# KiCad board Zynq_SoM.kicad_pcb (continued)
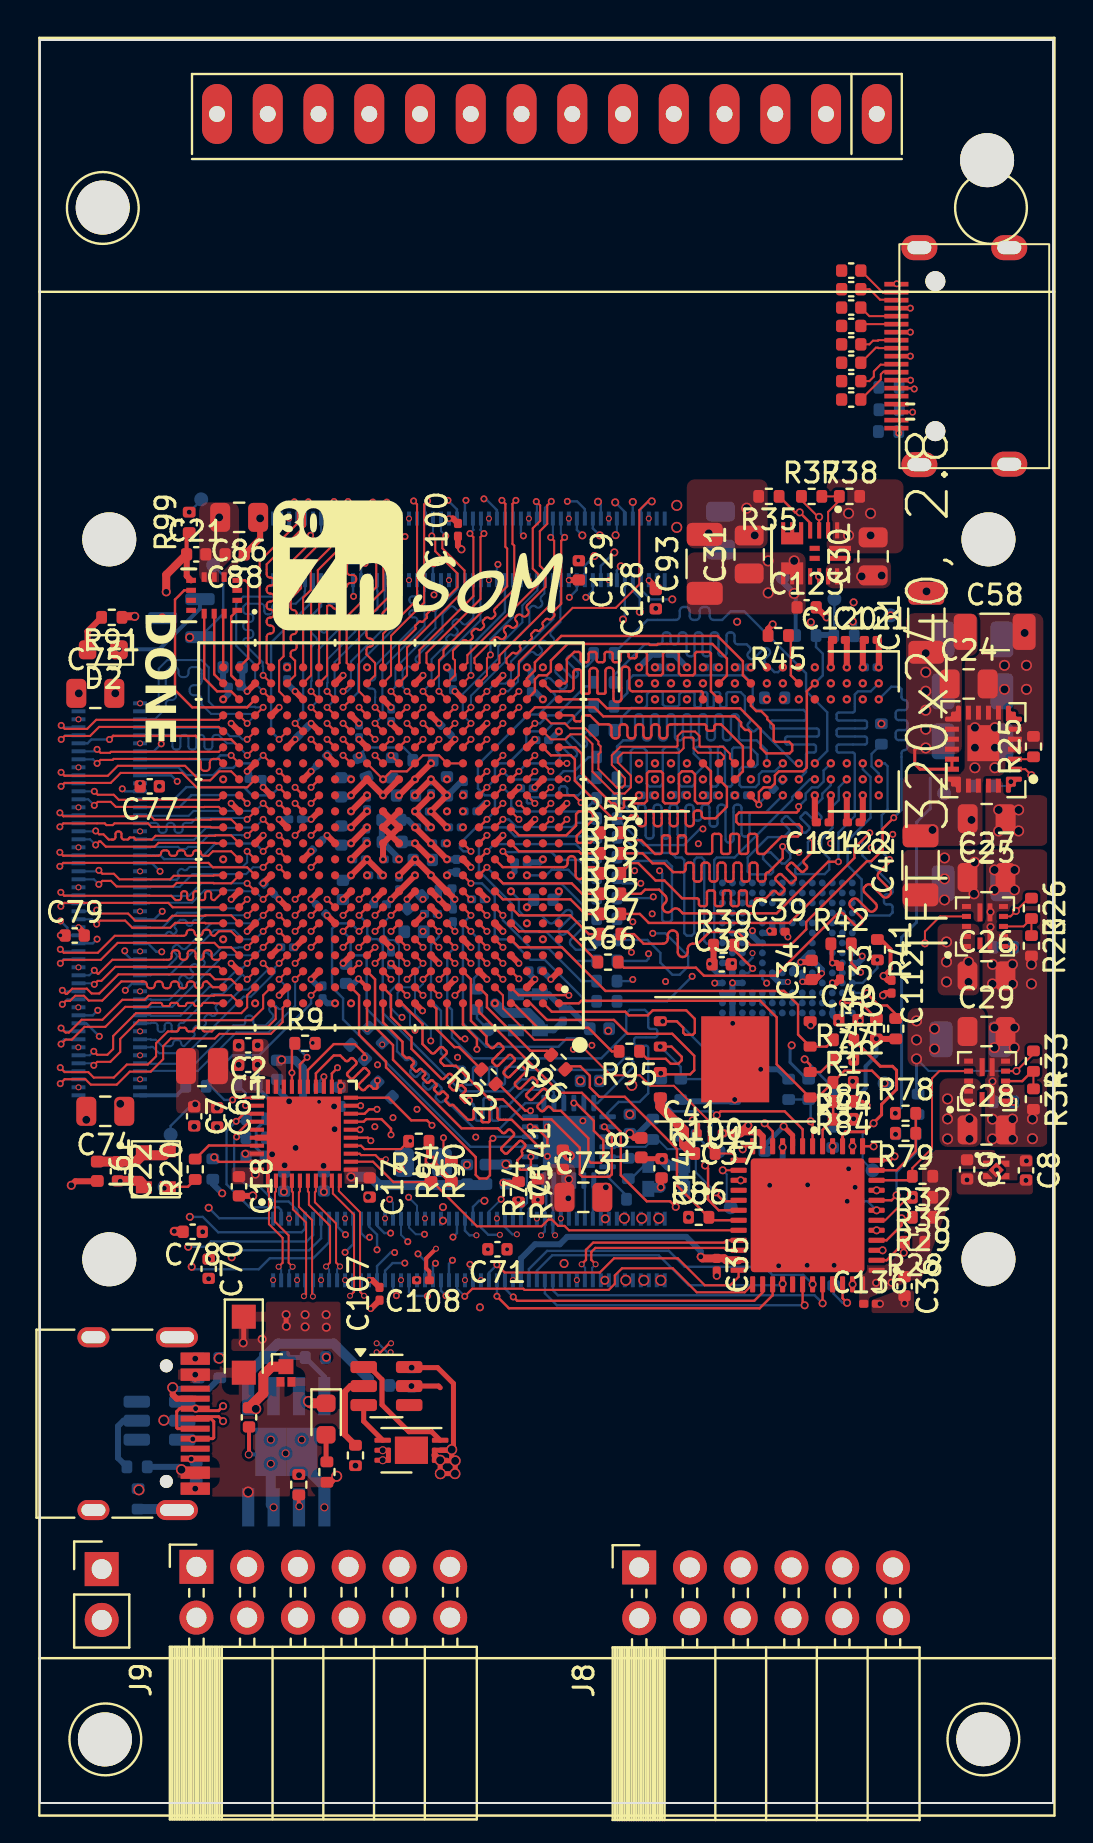
[diagram p0: board, top side]
## Routing (per net, layer and track width the routed paths; a pad name or vN(x,y) marks a point on that pad's centre or on a via; arc(x,y) is an arc through that point) (continued)
  L8 (Sig) w0.104: J3.79 1.21,50.99 v1(1.06,50.84)
IO_L17_P_35: length 11.3
  L1 (Sig) w0.104: v1(1.02,42.69) 1.19,42.52 2.9,42.52 3.75,43.37 7.19,43.37 arc(7.29,43.41) 7.34,43.52 arc(7.38,43.62) 7.49,43.67 7.59,43.67 arc(7.69,43.62) 7.74,43.52 arc(7.78,43.41) 7.89,43.37 7.99,43.37 arc(8.09,43.41) 8.14,43.52 arc(8.18,43.62) 8.29,43.67 8.39,43.67 arc(8.49,43.62) 8.54,43.52 arc(8.58,43.41) 8.69,43.37 8.73,43.37 8.95,43.59 9.57,43.59 U2.E21
  L8 (Sig) w0.104: J3.37 1.12,42.59 v1(1.02,42.69)
IO_L18_N_13: length 14.6
  L1 (Sig) w0.1: v4(30.62,65.09) 30.43,65.09 29.99,64.65 29.99,60.94 28.82,59.76 26.66,59.76 23.97,57.08 23.97,56.39 U2.AA4
  L8 (Sig) w0.12: v4(30.62,65.09) 30.46,65.09 30.07,64.7 J2.8
IO_L18_N_33: length 8.3
  L1 (Sig) w0.104: v1(15.72,63.28) 15.89,63.11 15.89,63.1 15.01,62.22 15.01,60.99 13.97,59.95 U2.AB16
  L8 (Sig) w0.104: J2.80 15.67,63.62 15.72,63.57 v1(15.72,63.28)
IO_L18_N_34: length 6.3
  L1 (Sig) w0.12: U2.P21 v1(10.37,49.99)
  L8 (Sig) w0.12: J3.74 6.97,49.79 7.58,50.4 9.96,50.4 v1(10.37,49.99)
IO_L18_N_35: length 11.4
  L1 (Sig) w0.104: U2.B22 8.65,40.79 8.36,41.08 8.31,41.08 arc(8.2,41.04) 8.15,40.92 8.15,40.9 arc(8.1,40.79) 7.99,40.74 7.91,40.74 arc(7.8,40.79) 7.75,40.9 7.75,40.92 arc(7.7,41.04) 7.59,41.08 7.51,41.08 arc(7.4,41.04) 7.35,40.92 7.35,40.9 arc(7.3,40.79) 7.19,40.74 7.11,40.74 arc(7,40.79) 6.95,40.9 6.95,40.92 arc(6.9,41.04) 6.79,41.08 6.71,41.08 arc(6.6,41.04) 6.55,40.92 6.55,40.9 arc(6.5,40.79) 6.39,40.74 6.31,40.74 arc(6.2,40.79) 6.15,40.9 6.15,40.92 arc(6.1,41.04) 5.99,41.08 5.91,41.08 arc(5.8,41.04) 5.75,40.92 5.75,40.9 arc(5.7,40.79) 5.59,40.74 5.51,40.74 arc(5.4,40.79) 5.35,40.9 5.35,40.92 arc(5.3,41.04) 5.19,41.08 4.07,41.08 3.12,40.13 2.44,40.13 2.2,40.37 1.76,40.37 1.51,40.11 1.29,40.11 v1(1.12,39.94)
  L8 (Sig) w0.104: v1(1.12,39.94) 1.37,40.19 J3.25
IO_L18_P_13: length 9.7
  L1 (Sig) w0.12: U2.Y4 v1(23.97,55.59)
  L4 (Sig+Pwr) w0.135: v4(29.18,59.18) 28.96,59.18 27.47,57.69 25.37,57.69 24.77,57.09 24.77,56.39 v1(23.97,55.59)
  L8 (Sig) w0.12: v4(29.18,59.18) 29.27,59.27 J2.11
IO_L18_P_33: length 10.7
  L1 (Sig) w0.104: U2.AA16 14.37,56.39 14.37,59.85 arc(14.48,59.9) 14.6,59.85 14.69,59.75 arc(14.81,59.7) 14.92,59.75 14.98,59.81 arc(15.02,59.92) 14.98,60.03 14.88,60.13 arc(14.83,60.24) 14.88,60.36 15.37,60.85 arc(15.41,60.96) 15.53,61.01 15.67,61.01 arc(15.78,61.05) 15.83,61.17 15.83,61.25 arc(15.78,61.36) 15.67,61.41 15.53,61.41 arc(15.41,61.45) 15.37,61.57 15.37,62.08 16.25,62.96 16.25,63.11 v1(16.42,63.28)
  L8 (Sig) w0.104: v1(16.42,63.28) 16.07,63.63 J2.78
IO_L18_P_35: length 10.6
  L1 (Sig) w0.104: U2.B21 9.57,41.19 8.75,41.19 8.51,41.44 3.93,41.44 2.97,40.48 2.59,40.48 2.35,40.72 1.61,40.72 1.36,40.47 1.29,40.47 v1(1.12,40.64)
  L8 (Sig) w0.104: J3.27 1.17,40.59 v1(1.12,40.64)
IO_L19_N_VREF_35: length 6.2
  L1 (Sig) w0.104: U2.H20 v1(10.37,45.99)
  L8 (Sig) w0.104: J3.52 5.48,45.39 5.51,45.36 7.45,45.36 8.08,45.99 v1(10.37,45.99)
IO_L19_P_13: length 20.8
  L1 (Sig) w0.12: U2.R6 v1(22.37,51.59)
  L6 (Sig+Pwr) w0.135: v4(28.79,65.04) 29.49,64.33 29.49,61.24 28.04,59.79 24.3,59.79 21.97,57.46 21.97,51.99 v1(22.37,51.59)
  L8 (Sig) w0.12: v4(28.79,65.04) 29.27,64.56 J2.12
IO_L19_P_33: length 20.7
  L1 (Sig) w0.12: U2.V14 v1(15.17,53.99)
  L6 (Sig+Pwr) w0.135: v1(26.39,65.09) 25.97,64.66 22.09,64.66 20.92,63.49 20.92,63.27 20.29,62.64 19.29,62.64 15.57,58.91 15.57,54.39 v1(15.17,53.99)
  L8 (Sig) w0.12: J2.22 27.27,64.7 26.88,65.09 v1(26.39,65.09)
IO_L19_P_35: length 7.2
  L1 (Sig) w0.104: U2.H19 v1(11.17,45.19)
  L8 (Sig) w0.104: J3.50 5.47,44.99 5.5,45.02 7.61,45.02 8.23,45.64 10.14,45.64 10.19,45.59 10.77,45.59 v1(11.17,45.19)
IO_L19_VREF_N_33: length 20.1
  L1 (Sig) w0.12: U2.U15 v1(14.37,53.19)
  L6 (Sig+Pwr) w0.135: v1(14.37,53.19) 14.22,53.19 13.82,53.59 13.39,53.59 13.17,53.81 13.17,60.63 15.23,62.69 18.39,62.69 18.89,63.19 18.89,63.79 19.79,64.69 20.87,64.69 v1(21.32,65.14)
  L8 (Sig) w0.12: v1(21.32,65.14) 21.27,65.09 J2.52
IO_L20_N_33: length 16.1
  L1 (Sig) w0.12: U2.W13 v1(15.97,54.79)
  L4 (Sig+Pwr) w0.135: v1(15.97,54.79) 15.97,55.59 17.14,56.76 17.14,61.64 18.16,62.66 20.23,62.66 21.04,63.47 21.04,64.03 v1(22.22,65.21)
  L8 (Sig) w0.12: J2.44 22.87,64.65 22.31,65.21 v1(22.22,65.21)
IO_L20_N_34: length 8.1
  L1 (Sig) w0.12: U2.P18 v1(11.97,50.79)
  L8 (Sig) w0.12: J3.76 6.72,50.19 7.33,50.8 10.21,50.8 10.62,50.39 11.57,50.39 v1(11.97,50.79)
IO_L20_N_35: length 8
  L1 (Sig) w0.104: U2.F19 v1(11.17,43.59)
  L8 (Sig) w0.104: J3.32 5.53,41.39 5.56,41.41 6.49,41.41 8.74,43.65 9.71,43.65 10.18,43.19 10.77,43.19 v1(11.17,43.59)
IO_L20_P_33: length 12.1
  L1 (Sig) w0.12: U2.V13 v1(16.77,53.19)
  L4 (Sig+Pwr) w0.135: v1(19.69,61.96) 18.52,61.96 17.97,61.41 17.97,56.69 17.17,55.89 17.17,53.59 v1(16.77,53.19)
  L8 (Sig) w0.12: J2.59 19.67,61.94 v1(19.69,61.96)
IO_L20_P_34: length 18.4
  L1 (Sig) w0.12: U2.P17 v1(12.77,50.79)
  L6 (Sig+Pwr) w0.135: v1(12.77,50.79) 12.37,50.39 7.92,50.39 3.49,45.96 3.49,41.41 v1(4.27,40.64)
  L8 (Sig) w0.12: v1(4.27,40.64) 4.62,40.99 J3.30
IO_L20_P_35: length 8.5
  L1 (Sig) w0.104: U2.G19 v1(11.17,44.39)
  L8 (Sig) w0.104: v1(11.17,44.39) 10.77,43.99 8.57,43.99 7.32,42.74 arc(7.21,42.69) 7.09,42.74 6.97,42.87 arc(6.85,42.91) 6.74,42.87 6.68,42.81 arc(6.64,42.7) 6.68,42.58 6.81,42.46 arc(6.86,42.34) 6.81,42.23 6.35,41.77 5.56,41.77 5.53,41.79 J3.34
IO_L21_DQS_N_33: length 8.6
  L1 (Sig) w0.104: U2.Y15 v1(14.37,55.59)
  L8 (Sig) w0.104: v1(14.37,55.59) 14.37,56 14.39,56.02 14.39,57.19 15.77,58.57 arc(15.82,58.68) 15.77,58.8 15.65,58.91 arc(15.61,59.02) 15.65,59.14 15.71,59.19 arc(15.82,59.24) 15.94,59.19 16.05,59.08 arc(16.16,59.03) 16.28,59.08 16.33,59.13 arc(16.38,59.25) 16.33,59.36 16.22,59.48 arc(16.17,59.59) 16.22,59.7 16.28,59.76 arc(16.39,59.81) 16.5,59.76 16.62,59.64 arc(16.73,59.6) 16.84,59.64 16.89,59.69 16.89,60.6 16.87,60.62 J2.73
IO_L21_DQS_N_35: length 8.7
  L1 (Sig) w0.104: U2.E20 v1(10.37,42.79)
  L8 (Sig) w0.104: J3.26 5.53,40.19 5.56,40.17 6.48,40.17 7.07,40.76 arc(7.12,40.88) 7.07,40.99 7,41.06 arc(6.96,41.17) 7,41.28 7.06,41.34 arc(7.17,41.39) 7.29,41.34 7.36,41.27 arc(7.47,41.23) 7.58,41.27 7.64,41.33 arc(7.69,41.44) 7.64,41.56 7.57,41.62 arc(7.52,41.74) 7.57,41.85 7.63,41.91 arc(7.74,41.95) 7.85,41.91 7.92,41.84 arc(8.03,41.79) 8.15,41.84 8.2,41.89 arc(8.25,42.01) 8.2,42.12 8.14,42.19 arc(8.09,42.3) 8.14,42.42 8.19,42.47 arc(8.31,42.52) 8.42,42.47 8.49,42.4 arc(8.6,42.36) 8.71,42.4 9.08,42.77 9.92,42.77 9.94,42.79 v1(10.37,42.79)
IO_L21_DQS_P_33: length 8.1
  L1 (Sig) w0.104: U2.W15 v1(14.37,54.79)
  L8 (Sig) w0.104: v1(14.37,54.79) 14.77,55.19 14.77,56 14.75,56.02 14.75,57.05 17.25,59.55 17.25,60.6 17.27,60.62 J2.71
IO_L21_DQS_P_35: length 8
  L1 (Sig) w0.104: U2.E19 v1(11.17,42.79)
  L8 (Sig) w0.104: J3.24 5.53,39.79 5.56,39.81 6.62,39.81 9.22,42.41 9.92,42.41 9.94,42.39 10.77,42.39 v1(11.17,42.79)
IO_L21_P_13: length 13.3
  L1 (Sig) w0.12: U2.V5 v1(23.17,53.99)
  L4 (Sig+Pwr) w0.12: v1(23.17,53.99) 23.2,54.02
  L4 (Sig+Pwr) w0.135: v1(23.17,53.99) 22.77,54.39 22.77,57.04 24.77,59.04 26.97,59.04 29.07,61.14 v4(29.07,61.84)
  L8 (Sig) w0.12: v4(29.07,61.84) 28.87,61.64 J2.13
IO_L22_N_33: length 7.3
  L1 (Sig) w0.104: U2.AA14 v1(15.17,55.59)
  L8 (Sig) w0.104: v1(15.17,55.59) 15.38,55.59 15.56,55.77 15.56,57.08 17.69,59.21 17.69,60.6 17.67,60.62 J2.69
IO_L22_N_34: length 7.3
  L1 (Sig) w0.1: U2.T19 v1(11.17,52.39)
  L8 (Sig) w0.12: v1(11.17,52.39) 10.77,51.99 9.9,51.99 9.67,51.76 9.04,51.76 8.68,51.4 7.32,51.4 6.93,51.79 J3.84
IO_L22_N_35: length 6.5
  L1 (Sig) w0.104: U2.G21 v1(10.37,45.19)
  L8 (Sig) w0.104: v1(10.37,45.19) 9.92,44.74 8.09,44.74 7.87,44.52 6.87,44.52 6.12,43.77 5.56,43.77 5.53,43.79 J3.44
IO_L22_P_13: length 12.8
  L1 (Sig) w0.12: U2.U6 v1(22.37,53.19)
  L4 (Sig+Pwr) w0.135: v1(22.37,53.19) 21.97,53.59 21.97,57.84 23.77,59.64 26.62,59.64 27.27,60.29 v1(27.32,60.29)
  L8 (Sig) w0.12: v1(27.32,60.29) 27.67,60.64 J2.19
IO_L22_P_33: length 8.1
  L1 (Sig) w0.104: v1(15.17,54.79) U2.Y14
  L8 (Sig) w0.104: v1(15.17,54.79) 15.92,55.54 15.92,56.94 18.05,59.07 18.05,60.6 18.07,60.62 J2.67
IO_L22_P_35: length 7.1
  L1 (Sig) w0.104: U2.G20 v1(10.37,44.39)
  L8 (Sig) w0.104: v1(10.37,44.39) 8.24,44.39 8.01,44.16 7.76,44.16 arc(7.67,44.13) 7.64,44.04 7.64,43.98 arc(7.6,43.9) 7.52,43.86 7.46,43.86 arc(7.37,43.9) 7.34,43.98 7.34,44.04 arc(7.3,44.13) 7.22,44.16 7.01,44.16 6.76,43.91 arc(6.73,43.83) 6.76,43.74 6.81,43.7 arc(6.84,43.62) 6.81,43.53 6.76,43.49 arc(6.68,43.46) 6.59,43.49 6.55,43.53 arc(6.47,43.57) 6.38,43.53 6.26,43.41 5.56,43.41 5.53,43.39 J3.42
IO_L23_N_13: length 8.8
  L1 (Sig) w0.104: U2.W7 v1(21.57,54.79)
  L8 (Sig) w0.104: v1(21.57,54.79) 21.57,55.37 23.29,57.09 23.29,57.69 24.5,58.9 24.5,59.74 24.58,59.82 arc(24.7,59.87) 24.81,59.82 24.82,59.82 arc(24.93,59.77) 25.05,59.82 25.1,59.87 arc(25.15,59.99) 25.1,60.1 25.09,60.11 arc(25.05,60.22) 25.09,60.33 25.25,60.49 25.25,60.88 25.27,60.9 J2.31
IO_L23_N_33: length 10.3
  L1 (Sig) w0.104: v1(18.27,63.33) 18.1,63.16 18.1,60.46 17.17,59.53 arc(17.12,59.41) 17.17,59.3 17.19,59.28 arc(17.23,59.17) 17.19,59.05 17.13,59 arc(17.02,58.95) 16.9,59 16.88,59.02 arc(16.77,59.06) 16.66,59.02 16.34,58.7 16.34,58.39 arc(16.39,58.27) 16.5,58.23 16.53,58.23 arc(16.64,58.18) 16.69,58.07 16.69,57.99 arc(16.64,57.87) 16.53,57.83 16.5,57.83 arc(16.39,57.78) 16.34,57.67 16.34,57.44 16.77,57.01 16.77,56.39 U2.AA13
  L8 (Sig) w0.104: J2.68 18.07,63.53 v1(18.27,63.33)
IO_L23_N_35: length 7.7
  L1 (Sig) w0.104: v1(2.84,43.95) 3.01,44.12 4.27,44.12 4.62,43.77 6.52,43.77 6.77,44.01 8.26,44.01 8.28,43.99 U2.F22
  L8 (Sig) w0.104: v1(2.84,43.95) 2.6,44.19 J3.45
IO_L23_P_13: length 9.5
  L1 (Sig) w0.104: U2.V7 v1(21.57,53.99)
  L8 (Sig) w0.104: v1(21.57,53.99) 21.16,54.4 21.16,55.46 22.93,57.23 22.93,57.83 24.14,59.04 24.14,59.88 24.89,60.63 24.89,60.88 24.87,60.9 J2.33
IO_L23_P_33: length 10.1
  L1 (Sig) w0.104: v1(17.57,63.33) 17.74,63.16 17.74,60.6 15.97,58.83 15.97,55.59 U2.Y13
  L8 (Sig) w0.104: J2.70 17.67,63.43 v1(17.57,63.33)
IO_L23_P_34: length 8.9
  L1 (Sig) w0.12: U2.R18 v1(11.97,51.59)
  L6 (Sig+Pwr) w0.135: v1(11.97,51.59) 11.24,51.59 10.77,52.06 10.77,52.61 10.59,52.79 8.94,52.79 8.49,52.34 6.69,52.34 v1(6.07,52.96)
  L8 (Sig) w0.12: v1(6.07,52.96) 5.69,52.59 J3.88
IO_L23_P_35: length 8.6
  L1 (Sig) w0.104: v1(2.84,44.65) 3.01,44.48 4.41,44.48 4.77,44.12 6.38,44.12 6.62,44.37 8.26,44.37 8.28,44.39 9.57,44.39 U2.F21
  L8 (Sig) w0.104: J3.47 2.78,44.59 v1(2.84,44.65)
IO_L24_N_13: length 14.4
  L1 (Sig) w0.12: U2.W5 v1(23.17,54.79)
  L4 (Sig+Pwr) w0.135: v1(23.17,54.79) 23.57,55.19 23.57,56.69 25.32,58.44 27.27,58.44 29.02,60.19 v4(31.64,60.19)
  L8 (Sig) w0.12: v4(31.64,60.19) 30.56,60.19 30.07,60.68 J2.7
IO_L24_N_33: length 10.3
  L1 (Sig) w0.1: 16.83,64.88 v1(16.66,65.05)
  L1 (Sig) w0.104: U2.AB15 14.99,57.01 14.99,58.96 16.83,60.8 16.83,64.88 v1(16.66,65.05)
  L8 (Sig) w0.104: v1(16.66,65.05) 16.87,64.84 J2.74
IO_L24_N_34: length 22.7
  L1 (Sig) w0.12: U2.R16 v1(13.57,50.79)
  L6 (Sig+Pwr) w0.135: v1(2.89,39.64) 2.32,40.21 2.32,46.76 5.07,49.51 6.08,49.51 8.28,51.71 9.39,51.71 9.92,51.19 13.17,51.19 v1(13.57,50.79)
  L8 (Sig) w0.12: J3.21 2.64,39.39 v1(2.89,39.64)
IO_L24_N_35: length 9.2
  L1 (Sig) w0.104: v1(1.04,44.84) 1.22,45.01 6.42,45.01 6.64,44.79 U2.G22
  L8 (Sig) w0.104: v1(1.04,44.84) 1.19,44.99 J3.49
IO_L24_P_13: length 17
  L1 (Sig) w0.12: U2.W6 v1(22.37,54.79)
  L6 (Sig+Pwr) w0.135: v1(22.37,54.79) 22.37,55.01 22.77,55.41 22.77,56.89 25.12,59.24 28.46,59.24 30.07,60.85 30.07,64.66 v4(29.67,65.06)
  L8 (Sig) w0.12: J2.10 v4(29.67,65.06)
IO_L24_P_33: length 10.3
  L1 (Sig) w0.1: 17.18,64.88 v1(17.36,65.05)
  L1 (Sig) w0.104: v1(17.36,65.05) 17.18,64.88 17.18,60.65 15.35,58.82 15.35,57.01 U2.AB14
  L8 (Sig) w0.104: J2.72 17.27,64.96 v1(17.36,65.05)
IO_L24_P_34: length 9.7
  L1 (Sig) w0.12: U2.P16 v1(13.57,49.99)
  L4 (Sig+Pwr) w0.135: v1(6.87,51.09) 7.57,50.39 13.17,50.39 v1(13.57,49.99)
  L8 (Sig) w0.12: J3.82 6.57,51.39 v1(6.87,51.09)
IO_L24_P_35: length 11.5
  L1 (Sig) w0.104: U2.H22 8.73,45.15 8.69,45.15 arc(8.6,45.18) 8.57,45.27 8.57,45.47 arc(8.53,45.56) 8.45,45.59 8.39,45.59 arc(8.3,45.56) 8.27,45.47 8.27,45.27 arc(8.23,45.18) 8.15,45.15 8.09,45.15 arc(8,45.18) 7.97,45.27 7.97,45.47 arc(7.93,45.56) 7.85,45.59 7.79,45.59 arc(7.7,45.56) 7.67,45.47 7.67,45.27 arc(7.63,45.18) 7.55,45.15 7.49,45.15 arc(7.4,45.18) 7.37,45.27 7.37,45.47 arc(7.33,45.56) 7.25,45.59 7.19,45.59 arc(7.1,45.56) 7.07,45.47 7.07,45.27 arc(7.03,45.18) 6.95,45.15 6.79,45.15 6.57,45.37 1.22,45.37 v1(1.04,45.54)
  L8 (Sig) w0.104: J3.51 1.19,45.39 v1(1.04,45.54)
QSPI_CLK: length 7.5
  L1 (Sig) w0.12: v4(31.04,37.82) 31.61,37.82 32.12,37.31 32.12,37.14 31.94,36.96 31.57,36.96 31.32,37.21 30.38,37.21 R95.1
  L8 (Sig) w0.12: v4(31.04,37.82) 31.05,37.82 32.07,36.81 R13.1 33.21,36.2 TP11.1
QSPI_CLK_T/BM4: length 6.5
  L1 (Sig) w0.12: U2.A4 23.69,39.99 24.92,38.76 27.44,38.76 28.62,37.59 R95.2 28.92,37.65
QSPI_D0/BM3: length 17.3
  L1 (Sig) w0.12: v4(31.17,39.09) 31.87,39.09 32.19,38.76 32.19,38.51 32.29,38.41 32.67,38.41 32.77,38.51 32.77,39.21 32.34,39.64 30.67,39.64 30.42,39.39 29.47,39.39 29.29,39.57 25.61,39.57 25.19,39.99 U2.A2
  L8 (Sig) w0.12: v4(31.17,39.09) 31.89,39.09 34.77,36.21 R76.1 35.51,36.2 TP7.1
QSPI_D1/BM1: length 23.7
  L1 (Sig) w0.12: U2.F6 v1(22.37,43.59) ; v4(38.27,37.19) 38.54,36.91 U11.2 39.07,36.55 R77.1 39.62,37.19
  L6 (Sig+Pwr) w0.135: v4(38.27,37.19) 30.47,37.19 26,41.66 25.21,41.66 23.68,43.19 22.77,43.19 v1(22.37,43.59)
  L8 (Sig) w0.12: v4(38.27,37.19) 39.82,35.64 TP8.1
QSPI_D2/BM2: length 19.4
  L1 (Sig) w0.12: R1.2 39.37,37.82 U11.3 37.94,38.43 37.94,39.91 37.24,40.61 28.3,40.61 26.12,42.79 23.97,42.79 U2.E4
QSPI_D3/BM0: length 12.3
  L1 (Sig) w0.12: U2.A3 24.54,39.99 25.37,39.16 28.72,39.16 29.42,38.46 31.64,38.46 32.74,37.36 32.74,36.64 32.54,36.44 31.12,36.44 v4(31.07,36.49)
  L8 (Sig) w0.12: R6.2 v4(31.07,36.49)
QSPI_~{CS}: length 20.5
  L1 (Sig) w0.12: v4(42.27,35.99) 41.64,36.62 40.26,36.62 R44.2 38.93,35.28 U11.1 38.52,35.28 36.87,36.94 36.87,39.29 36.04,40.11 27.09,40.11 26.97,39.99 U2.A1
SDIO_CLK: length 19.1
  L1 (Sig) w0.12: U2.E14 v1(15.17,42.79)
  L4 (Sig+Pwr) w0.135: v1(15.17,42.79) 14.77,42.39 14.77,41.59 16.07,40.29 16.07,39.49 15.74,39.16 15.74,36.11 15.62,35.99 15.62,31.96 16.87,30.71 16.87,28.54 17.31,28.1 17.31,26.99 18.07,26.23 v2(18.07,26.15)
SDIO_CMD: length 21.1
  L1 (Sig) w0.12: U2.C8 v1(19.97,41.19)
  L4 (Sig+Pwr) w0.135: v1(17.84,25.37) 17.85,25.36 18.68,25.36 20.22,26.89 20.22,28.49 20.68,28.95 20.68,30.13 22.22,31.67 22.22,33.54 22.49,33.81 22.49,38.3 21.64,39.14 21.64,40.16 21.05,40.76 20.4,40.76 v1(19.97,41.19)
  L8 (Sig) w0.12: 17.67,26.15 17.67,25.54 v1(17.84,25.37)
SDIO_D0: length 21.5
  L1 (Sig) w0.12: U2.D8 v1(20.77,41.99)
  L4 (Sig+Pwr) w0.135: v1(19.39,25.35) 19.63,25.35 21.11,26.83 21.11,29.65 22.74,31.29 22.74,32.79 23.14,33.19 23.14,38.91 22.18,39.88 22.18,40.58 v1(20.77,41.99)
  L8 (Sig) w0.12: v1(19.39,25.35) 19.38,25.36 18.66,25.36 18.47,25.55 18.47,26.15
SDIO_D1: length 17
  L1 (Sig) w0.12: U2.B11 v1(18.37,40.39)
  L4 (Sig+Pwr) w0.135: v1(18.92,27.46) 18.82,27.56 18.82,30.01 20.02,31.21 20.02,32.34 20.62,32.94 20.62,36.73 20.19,37.15 20.19,39.19 19.39,39.99 18.77,39.99 v1(18.37,40.39)
  L8 (Sig) w0.12: v1(18.92,27.46) 19.27,27.11 19.27,26.15
SDIO_D2: length 19.8
  L1 (Sig) w0.12: U2.E13 16.36,43.19 v1(15.95,42.78)
  L4 (Sig+Pwr) w0.135: v1(17.75,27.53) 17.75,27.97 18,28.22 18,30.52 16.79,31.73 16.79,32.67 17.17,33.05 17.17,34.36 17.52,34.71 17.52,38.22 16.77,38.97 16.77,40.93 16.1,41.6 15.78,41.6 15.57,41.81 15.57,42.4 v1(15.95,42.78)
  L8 (Sig) w0.12: v1(17.75,27.53) 17.55,27.53 16.87,26.85 16.87,26.15
SDIO_D3: length 18.5
  L1 (Sig) w0.12: U2.B9 v1(19.97,40.39)
  L4 (Sig+Pwr) w0.135: v1(18.26,27) 18.42,26.84 19,26.84 19.37,27.21 19.37,27.91 19.7,28.24 19.7,30.1 20.82,31.22 20.82,32.21 21.13,32.52 21.13,33.45 21.89,34.21 21.89,36.93 20.83,38 20.83,39.53 v1(19.97,40.39)
  L8 (Sig) w0.12: v1(18.26,27) 17.65,27 17.27,26.62 17.27,26.15
SENSE_1V0: length 4.2
  L1 (Sig) w0.12: R78.2 R79.1 43.83,32.6 42.87,31.64 U9.11
SENSE_1V8: length 3.4
  L1 (Sig) w0.12: v4(38.57,34.09) 38.67,33.99 U9.18
  L8 (Sig) w0.12: v4(38.57,34.09) 38.57,35.08 R80.2 R81.1
SENSE_1V35: length 2.5
  L1 (Sig) w0.12: U9.17 39.17,33.66 R85.1 39.7,35.08 R84.2
SENSE_3V3: length 5.6
  L1 (Sig) w0.12: U9.8 42.62,30.14 v4(42.87,30.39)
  L8 (Sig) w0.12: R82.2 43.84,34.33 43.84,33.47 R83.1 43.85,32.52 42.87,31.54 v4(42.87,30.39)
STM32_BOOT0: length 24.2
  L1 (Sig) w0.12: U9.46 40.17,25.24 v4(40.39,25.01)
  L6 (Sig+Pwr) w0.12: v1(20.32,25.36) 20.72,25.77 21.71,25.77 22.57,24.91 37.22,24.91 37.74,25.44 39.97,25.44 v4(40.39,25.01)
  L8 (Sig) w0.12: v1(20.32,25.36) 20.07,25.61 20.07,26.15 ; v4(40.39,25.01) 40.17,25.01 39.72,25.46 R4.1
STM32_DAC1: length 25.7
  L1 (Sig) w0.12: U9.12 42.57,32.14 v4(42.77,32.34)
  L6 (Sig+Pwr) w0.12: v4(42.77,32.34) 42.59,32.16 41.69,32.16 40.79,31.26 40.11,31.26 35.81,26.96 33.54,26.96 33.49,26.91 28.46,26.91 28.07,26.52 21.93,26.52 v1(21.52,26.94)
  L8 (Sig) w0.12: 21.67,26.15 21.67,26.56 21.52,26.71 v1(21.52,26.94)
STM32_DAC2: length 25.2
  L1 (Sig) w0.12: v4(41.72,32.84) 41.72,32.84 U9.13
  L6 (Sig+Pwr) w0.12: v1(20.64,27.14) 20.94,27.44 21.77,27.44 21.9,27.31 23.83,27.31 23.98,27.46 27.58,27.46 27.82,27.7 34.28,27.7 38.84,32.26 40.89,32.26 41.47,32.84 v4(41.72,32.84)
  L8 (Sig) w0.12: v1(20.64,27.14) 20.47,26.96 20.47,26.15
STM32_GPIO1: length 13.7
  L8 (Sig) w0.12: 24.87,26.15 24.87,26.62 25.64,27.39 30.97,27.39 32.47,25.89 37.09,25.89 v4(37.17,25.96)
STM32_GPIO2: length 15.9
  L1 (Sig) w0.12: U9.43 38.67,25.94
  L6 (Sig+Pwr) w0.12: v4(38.67,25.94) 38.59,25.94
  L8 (Sig) w0.12: v4(38.67,25.94) 38.2,26.41 36.65,26.41 36.24,26.81 32.27,26.81 31.47,27.61 25.38,27.61 24.47,26.7 24.47,26.15
STM32_GPIO3: length 15.7
  L1 (Sig) w0.12: U9.39 36.67,25.39 36.02,24.74 23.47,24.74 v1(22.87,25.34)
  L8 (Sig) w0.12: v1(22.87,25.34) 22.87,26.15
STM32_GPIO4: length 14.2
  L1 (Sig) w0.12: v1(23.69,25.31) 23.88,25.11 35.75,25.11 36.17,25.53 U9.38
  L8 (Sig) w0.12: v1(23.69,25.31) 23.27,25.72 23.27,26.15
STM32_GPIO5: length 16.9
  L1 (Sig) w0.11: v1(21.26,25.34) 21.64,25.72 24.19,25.72 24.25,25.66 28.46,25.66 28.77,25.96 28.77,26.38 29.13,26.74 31.67,26.74 32.87,25.54 35.27,25.54 U9.37
  L8 (Sig) w0.1: 20.87,26.15 20.87,25.73 v1(21.26,25.34)
STM32_GPIO6: length 14.5
  L1 (Sig) w0.11: v1(22.87,26.91) 23.25,26.53 28.02,26.53 28.73,27.24 31.92,27.24 33.27,25.89 34.54,25.89 34.96,26.31 U9.36
  L8 (Sig) w0.12: v1(22.87,26.91) 22.47,26.51 22.47,26.15
STM32_GPIO7: length 23.3
  L1 (Sig) w0.12: v4(36.27,33.99) 36.67,33.59 U9.22
  L6 (Sig+Pwr) w0.12: v4(36.27,33.99) 36.27,31.39 33.47,28.59 26.94,28.59 26.34,27.98 24.89,27.98 24.82,28.05 22.75,28.05 22.59,28.21 22.26,28.21 21.96,27.91 20.72,27.91 v1(19.79,26.99)
  L8 (Sig) w0.12: 19.67,26.15 19.67,26.86 v1(19.79,26.99)
STM32_GPIO8: length 18.3
  L1 (Sig) w0.12: U9.24 35.32,32.84 v4(35.17,32.69)
  L6 (Sig+Pwr) w0.12: v1(20.67,28.3) 21.15,28.3 21.69,28.84 26.27,28.84 27.72,30.29 32.67,30.29 33.37,30.99 34.16,30.99 35.17,32 v4(35.17,32.69)
  L8 (Sig) w0.12: v1(20.67,28.3) 20.87,28.5 20.87,29.23
STM32_NRST: length 23.7
  L6 (Sig+Pwr) w0.12: v4(41.87,29.64) 38.64,26.41 36.62,26.41 35.74,25.54 24.69,25.54 24.52,25.71 22.5,25.71 v2(22.07,26.15)
  L8 (Sig) w0.12: R3.2 41.04,29.3 C13.1 41.42,30.09 v4(41.87,29.64)
STM32_SCL: length 13.3
  L1 (Sig) w0.12: U9.31 33.62,29.14 31.88,30.88 31.88,32.7 29.27,35.31 27.99,35.31 27.52,35.79 27.52,36.36 27.04,36.84 26.45,36.84 R96.1
STM32_SDA: length 24.4
  L1 (Sig) w0.12: U2.E6 v1(22.37,42.79) ; v4(33.29,31.88) 33.43,31.73 33.43,30.17 33.97,29.64 U9.30
  L6 (Sig+Pwr) w0.12: v1(22.37,42.79) 22.66,42.79 23.07,42.38 23.29,42.38 23.58,42.09 23.58,40.78 25.47,38.89 25.47,34.79 27.59,32.66 32.5,32.66 v4(33.29,31.88)
  L8 (Sig) w0.12: v4(33.29,31.88) 33.23,31.94 33.23,33 R87.2
STM32_USB_CC1: length 15.2
  L1 (Sig) w0.12: U9.44 v4(39.17,24.99)
  L8 (Sig) w0.12: 25.67,26.15 25.67,25.64 25.92,25.39 38.77,25.39 v4(39.17,24.99)
STM32_USB_CC2: length 15
  L1 (Sig) w0.12: U9.42 38.17,24.99 v4(38.27,24.89)
  L8 (Sig) w0.12: 25.27,26.15 25.27,25.49 25.87,24.89 v4(38.27,24.89)
STM32_USB_D_N: length 9.4
  L1 (Sig) w0.115: U9.33 34.36,28.14 34.24,28.02 27.68,28.02 27.33,27.66 27.33,27.16 v2(27.11,26.94)
  L8 (Sig) w0.1: 27.28,26.27 27.28,26.76 v2(27.11,26.94)
STM32_USB_D_P: length 9
  L1 (Sig) w0.115: U9.34 34.36,27.64 34.24,27.76 27.79,27.76 27.59,27.55 27.59,27.16 v2(27.81,26.94)
  L8 (Sig) w0.1: v2(27.81,26.94) 27.63,26.76 27.63,26.27
USB_D+: length 31.4
  L1 (Sig) w0.15: J5.B6 8.64,18.22 8.7,18.27 8.7,19.07 8.55,19.22 J5.A6 7.87,19.32 8.94,19.32 v4(9.16,19.09)
  L2 (Gnd) w0.115: v2(25.08,28.39) 25.3,28.17 25.3,25.29 24.08,24.07 17.73,24.07 16.85,23.19 v2(16.85,22.99) ; v2(17.55,22.54) 17.33,22.32 17.33,22.18 16.24,21.09 10.81,21.09 10.09,20.37 10.09,20.02 v4(9.16,19.09)
  L8 (Sig) w0.115: v2(25.08,28.39) 25.27,28.58 J1.32 ; v2(16.85,22.99) 16.93,22.99 17.38,22.54 v2(17.55,22.54) ; U5.6 25.22,30.51 25.34,30.39 25.34,29.82 25.27,29.75 25.27,29.23
  L8 (Sig) w0.15: U12.3 7.62,18.17 v4(7.65,18.2)
USB_D-: length 30.7
  L1 (Sig) w0.115: v2(17.57,22.99) 17.52,22.94 17.44,22.94 17.04,22.54 v2(16.85,22.54)
  L1 (Sig) w0.15: v4(9.16,19.84) 8.94,19.62 7.87,19.62 J5.B7 7.79,19.72 v4(7.79,19.72) 6.99,19.72 6.84,19.57 6.84,18.77 6.89,18.72 J5.A7
  L2 (Gnd) w0.115: v2(25.78,28.39) 25.56,28.17 25.56,25.18 24.18,23.81 18.16,23.81 17.57,23.22 v2(17.57,22.99) ; v4(9.16,19.84) 9.49,19.84 9.79,20.14 9.79,20.47 10.67,21.35 16.14,21.35 17.07,22.28 17.07,22.32 v2(16.85,22.54)
  L8 (Sig) w0.115: U5.5 25.72,30.51 25.6,30.39 25.6,29.82 25.67,29.75 25.67,29.23
  L8 (Sig) w0.15: J1.30 25.67,28.5 v2(25.78,28.39) ; v4(7.79,19.72) 7.47,19.72 U12.1
USB_ID: length 1.9
  L8 (Sig) w0.12: U5.1 27.67,31.08 27.67,29.23
USB_PHY_RST: length 8.5
  L1 (Sig) w0.12: U9.29 34.91,30.09 34.22,30.09 33.82,30.49 v4(33.82,30.54)
  L8 (Sig) w0.11: v4(33.82,30.54) 32.82,31.54 32.82,32.37 32.49,32.7 31.4,32.7 30.92,33.18 R5.2 30.3,32.81 U5.22
USB_ULPI_CLKOUT: length 4.5
  L1 (Sig) w0.12: U2.A9 19.84,39.72 19.84,38.7 20.74,37.8 20.97,37.8 22.08,36.68 R22.2
USB_ULPI_DATA0: length 25
  L1 (Sig) w0.12: 21.18,41.58 21.18,41.59 ; v1(26.72,35) 26.83,35 27.72,34.11 27.72,33.61 28.19,33.14 28.19,32.14 28.07,32.01 27.57,32.01 27.44,32.14 27.44,33.24 26.07,34.61 25.72,34.61 25.53,34.8 arc(25.46,34.83) 25.39,34.8 25.2,34.61 arc(25.13,34.59) 25.06,34.62 24.92,34.76 arc(24.89,34.83) 24.92,34.9 25.44,35.41 arc(25.46,35.48) 25.44,35.55 25.29,35.69 arc(25.22,35.72) 25.15,35.69 24.64,35.18 arc(24.57,35.15) 24.5,35.18 24.36,35.32 arc(24.33,35.39) 24.36,35.46 24.87,35.98 arc(24.9,36.05) 24.87,36.12 24.73,36.26 arc(24.66,36.29) 24.59,36.26 24.07,35.75 arc(24,35.72) 23.93,35.75 23.79,35.89 arc(23.76,35.96) 23.79,36.03 24.3,36.54 arc(24.33,36.61) 24.3,36.68 24.16,36.83 arc(24.09,36.86) 24.02,36.83 23.51,36.31 arc(23.44,36.28) 23.37,36.31 23.22,36.45 arc(23.19,36.52) 23.22,36.59 23.74,37.11 arc(23.77,37.18) 23.74,37.25 23.6,37.39 arc(23.53,37.42) 23.46,37.39 22.94,36.88 arc(22.87,36.85) 22.8,36.88 22.66,37.02 arc(22.63,37.09) 22.66,37.16 23.17,37.67 arc(23.2,37.75) 23.17,37.82 23.03,37.96 arc(22.96,37.99) 22.89,37.96 22.7,37.77 arc(22.63,37.74) 22.56,37.77 22.34,37.99 22.34,38.34 21.57,39.11 21.57,41.19 U2.C7
USB_ULPI_DATA1: length 17.9
  L1 (Sig) w0.12: U2.G13 v1(15.97,44.39)
  L8 (Sig) w0.12: U5.15 26.22,35.59 25.62,36.19 24.09,36.19 23.49,35.59 21.08,35.59 17.16,39.51 17.16,42.94 16.9,43.2 16.61,43.2 16.38,43.43 16.38,43.98 v1(15.97,44.39)
USB_ULPI_DATA2: length 18.1
  L1 (Sig) w0.12: v1(21.49,35.14) 21.37,35.01 21.29,35.01 21.07,35.24 arc(21.04,35.31) 21.07,35.38 21.28,35.59 arc(21.31,35.66) 21.28,35.73 21.14,35.87 arc(21.07,35.9) 21,35.87 20.79,35.66 arc(20.72,35.63) 20.65,35.66 20.51,35.8 arc(20.48,35.87) 20.51,35.94 20.72,36.16 arc(20.75,36.23) 20.72,36.3 20.58,36.44 arc(20.51,36.47) 20.43,36.44 20.22,36.23 arc(20.15,36.2) 20.08,36.23 18.59,37.71 18.59,38.29 17.57,39.31 17.57,40.39 U2.B12
  L8 (Sig) w0.12: U5.14 25.72,35.54 25.59,35.66 24.22,35.66 23.4,34.84 23.09,34.84 arc(23.02,34.81) 22.99,34.74 22.99,34.21 arc(22.96,34.14) 22.89,34.11 22.69,34.11 arc(22.62,34.14) 22.59,34.21 22.59,35.17 arc(22.56,35.24) 22.49,35.27 22.29,35.27 arc(22.22,35.24) 22.19,35.17 22.19,34.21 arc(22.16,34.14) 22.09,34.11 21.89,34.11 arc(21.82,34.14) 21.79,34.21 21.79,34.74 arc(21.76,34.81) 21.69,34.84 21.69,34.94 v1(21.49,35.14)
USB_ULPI_DATA3: length 20.1
  L1 (Sig) w0.12: 15.56,43.99 U2.F14 v1(15.17,43.59)
  L8 (Sig) w0.12: U5.13 24.29,35 23.02,33.73 21.73,33.73 20.35,35.11 arc(20.27,35.14) 20.19,35.11 20.15,35.07 arc(20.07,35.03) 19.99,35.07 19.83,35.23 arc(19.8,35.31) 19.83,35.38 20.07,35.63 arc(20.11,35.71) 20.07,35.79 19.91,35.95 arc(19.83,35.98) 19.76,35.95 19.51,35.7 arc(19.43,35.67) 19.35,35.7 19.19,35.86 arc(19.16,35.94) 19.19,36.02 19.44,36.26 arc(19.47,36.34) 19.44,36.42 19.28,36.58 arc(19.2,36.61) 19.12,36.58 18.88,36.34 arc(18.8,36.31) 18.72,36.34 18.56,36.5 arc(18.52,36.58) 18.56,36.66 18.8,36.9 arc(18.83,36.98) 18.8,37.06 18.64,37.22 arc(18.56,37.25) 18.48,37.22 18.44,37.18 arc(18.36,37.14) 18.28,37.18 17.87,37.59 17.87,38.19 16.35,39.71 16.35,42.21 16.17,42.39 15.75,42.39 15.55,42.59 15.55,43.21 v1(15.17,43.59)
